# Altium PCB OctopusPB_r0102.PcbDoc (part 2 of 10) (continued)
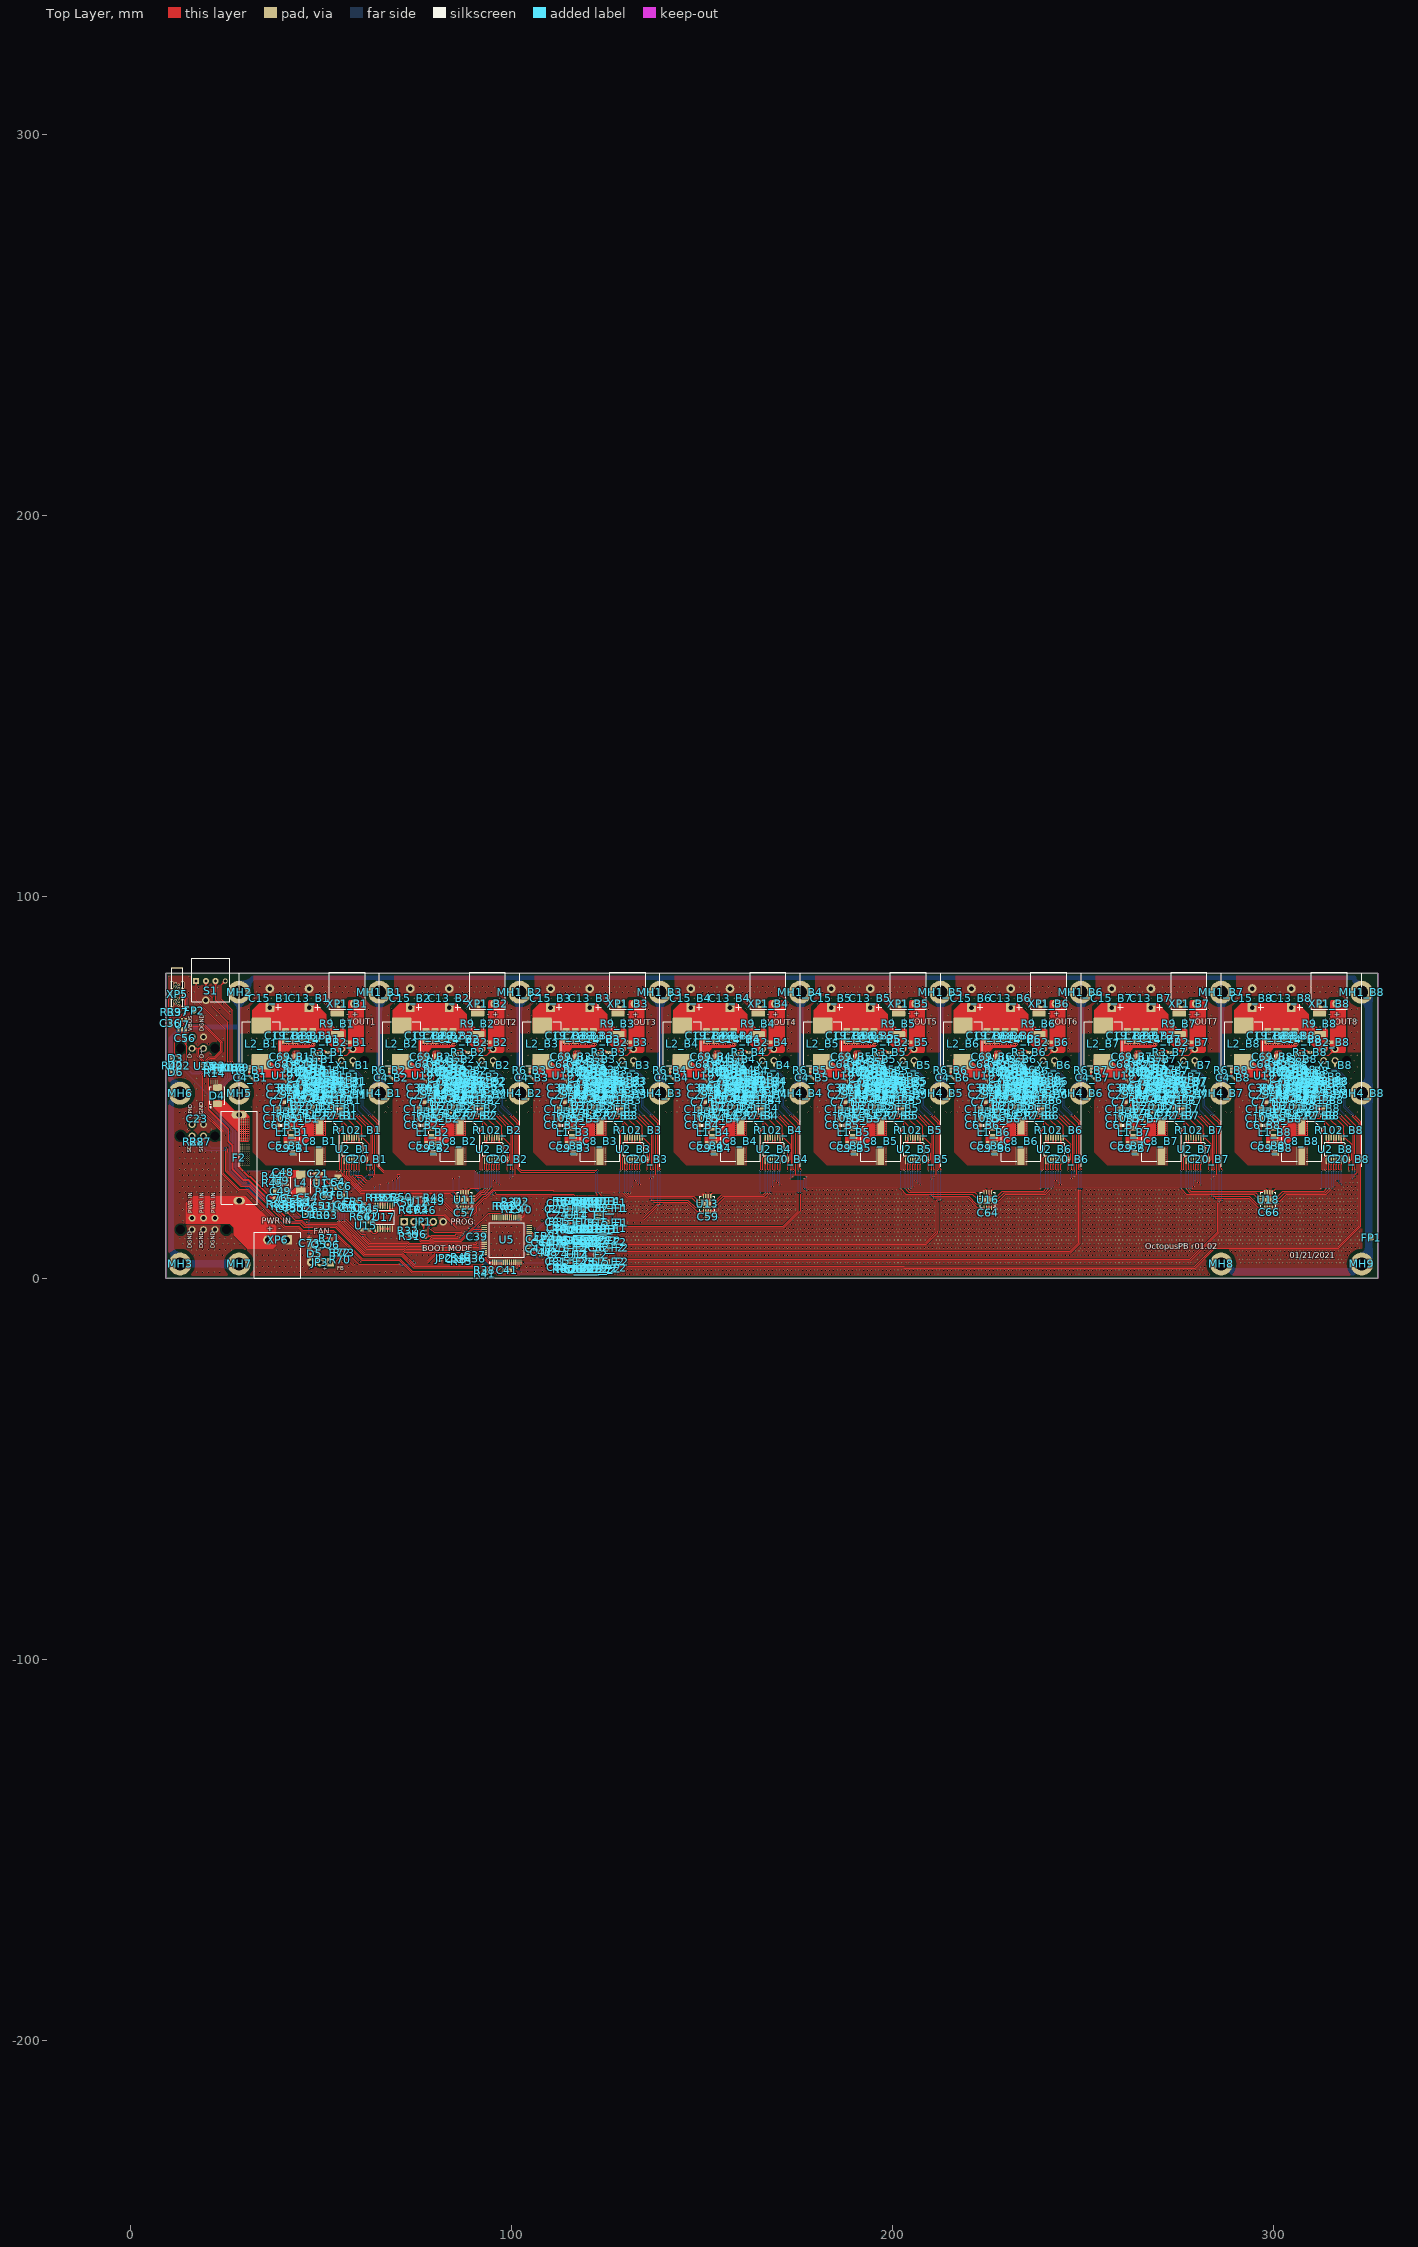
[diagram p0: Top Layer view]
## Components (designator, comment, footprint, x,y, rotation, side; value= is the part's Value field where it differs from the comment) (continued)
XP2_B1 "0447690401" 0447690401 56.85,58.56 r0 bottom locked (schematic designator XP2)
XP2_B2 "0447690401" 0447690401 93.675,58.56 r0 bottom (schematic designator XP2)
XP2_B3 "0447690401" 0447690401 130.5,58.56 r0 bottom (schematic designator XP2)
XP2_B4 "0447690401" 0447690401 167.325,58.56 r0 bottom (schematic designator XP2)
XP2_B5 "0447690401" 0447690401 204.15,58.56 r0 bottom (schematic designator XP2)
XP2_B6 "0447690401" 0447690401 240.975,58.56 r0 bottom (schematic designator XP2)
XP2_B7 "0447690401" 0447690401 277.8,58.56 r0 bottom (schematic designator XP2)
XP2_B8 "0447690401" 0447690401 314.625,58.56 r0 bottom (schematic designator XP2)
XP3 "0447690401" 0447690401 17.65,38.785 r0 bottom locked
XP4 "0447690401" 0447690401 17.65,61.785 r0 bottom locked
XP5 "KUSBX-SL-CS1N14-B" KUSBX-SL-CS1N14-B 12.63,76.975 r180 top locked
XP6 "TBH-2x5.08P-RA-GN" TBH-2x5.08P-RA-GN 38.6,10 r180 top locked
XP7 "0447690601" 0447690601 19.15,14.21 r0 bottom

## Footprints (in the part's own frame and the unit in brackets; to place one, negate y for a bottom-side part, rotate by r counter-clockwise, add the part's x,y. Pads: shape width x height; smd on the part's side, far side on the other; paste and mask are expansions set on the pad)
104CDMCCDS [mm]
  rrect10% 4.1x5.1 smd: 1(-4.75,0) 2(4.75,0)
  silkscreen extent -5.8,-5 5.8,5, body extent -5.75,-5 5.75,5, height 4
0518CDMCCDS [mm]
  rrect20% 2.2x2.5 smd: 1(-2.1,0) 2(2.1,0)
  silkscreen extent -2.7,-2.6 2.7,2.6, body extent -2.7,-2.6 2.7,2.6, height 1.8
0447690401 [mm]
  round 1.8 hole 2.41 unplated: 0(-4.5,1.5) 0(4.5,1.5)
  round 1.8 hole 1.02: 1(-1.5,-1.5) 2(1.5,-1.5) 3(-1.5,1.5) 4(1.5,1.5)
  silkscreen extent -6,-3.72 6,4.68, body extent -6,-3.7 6,4.7, height 13.6
0447690601 [mm]
  round 1.8 hole 2.41 unplated: 0(-6,1.5) 0(6,1.5)
  round 1.8 hole 1.02: 1(-3,-1.5) 2(0,-1.5) 3(3,-1.5) 4(-3,1.5) 5(0,1.5) 6(3,1.5)
  silkscreen extent -7.5,-3.72 7.5,4.68, body extent -7.5,-3.7 7.5,4.7, height 13.6
696108003002 [mm]
  oval 3x2 hole 1.5: 1(0,0)
  oval 4x2 hole 1.5: 2(0,-22.6)
  silkscreen extent -4.7,-23.5 4.7,0.9, body extent -4.7,-23.5 4.7,0.9, height 23.7
CA-D10H10.5-SMD [mm]
  rect 4.5x1.8 smd: 1(3.975,0) 2(-3.975,0)
  silkscreen extent -5.25,-5.2 5.2,5.2, body extent -9.92,-5.2 5.5,5.2, height 10.41
CA-D10H13P5.0-THR [mm]
  rrect10% 2.3x2.3 hole 1.2: 1(2.5,0)
  round 2.3 hole 1.2: 2(-2.5,0)
  silkscreen extent 1.61,1.55 3.26,3, body extent -5.03,-5.03 5.03,5.03, height 16.33
CC0402M [mm]
  rrect20% 0.66x0.62 smd: 1(-0.44,0) 2(0.44,0)
  silkscreen extent 0,-0.18 0,0.17, body extent -0.53,-0.27 0.53,0.27, height 0.55
CC0603M [mm]
  rrect20% 0.9x0.95 smd: 1(-0.8,0) 2(0.8,0)
  Top Layer pour cut-out: -0.305,0.45 -0.305,-0.45 0.305,-0.45 0.305,0.45
  silkscreen extent -0.17,-0.31 0.18,0.34, body extent -0.8,-0.4 0.8,0.4, height 0.9
CC0805M [mm]
  rrect30% 1.15x1.35 smd: 1(-0.95,0) 2(0.95,0)
  Top Layer pour cut-out: -0.75,0.65 -0.75,-0.65 0.75,-0.65 0.75,0.65
  silkscreen extent -0.2,-0.47 0.2,0.49, body extent -1,-0.62 1,0.63, height 1.35
CC1206M [mm]
  rrect30% 1.25x1.8 smd: 1(-1.425,0) 2(1.425,0)
  Top Layer pour cut-out: -0.825,0.775 0.825,0.775 0.825,-0.75 -0.825,-0.75
  silkscreen extent -0.5,-0.58 0.53,0.6, body extent -1.6,-0.8 1.6,0.8, height 1.91
CDFN3225-4LD [mm] "DFN, 4-Leads, Body 3.20x2.50mm, Pitch 1.60mm, IPC Medium Density"
  rect 1x0.9 smd: 1(-0.95,1.05) 2(-0.95,-1.05) 3(0.95,-1.05) 4(0.95,1.05)
  silkscreen extent -1.32,1.95 -1.22,2.05, body extent -1.25,-1.6 1.25,1.6, height 0.85
FB0603M [mm] "Chip Resistor, 2-Leads, Body 1.6x0.8mm, IPC Medium Density"
  rrect30% 0.9x0.95 smd: 1(-0.748,0) 2(0.748,0)
  Top Layer pour cut-out: -0.305,0.45 -0.305,-0.45 0.305,-0.45 0.305,0.45
  silkscreen extent -0.13,-0.38 0.13,0.38, body extent -0.8,-0.4 0.8,0.4, height 0.8
FB0805M [mm]
  rrect30% 1.15x1.45 smd: 1(-0.9,0) 2(0.9,0)
  Top Layer pour cut-out: -0.75,0.65 -0.75,-0.65 0.75,-0.65 0.75,0.65
  silkscreen extent -0.15,-0.53 0.15,0.53, body extent -1,-0.62 1,0.63, height 0.82
FP [mm] "Fiducial point"
  round 1.5 smd paste-1 mask+0.5: 0(0,0)
HEADER-2.54-THR-1x2-MV [mm] "Pin header connector 2 pins, 1 columns, 2.54 pitch"
  rect 2x2 hole 1.2: 1(0,0)
  round 2 hole 1.2: 2(0,-2.54)
  body extent -1.24,-3.81 1.3,1.27, height 8.49
HEADER-2.54-THR-1x3-MV [mm] "Pin header connector 3 pins, 1 columns, 2.54 pitch"
  rect 2.3x2 hole 1: 1(0,0)
  oval 2.3x2 hole 1: 2(0,-2.54) 3(0,-5.08)
  body extent -1.24,-6.35 1.3,1.27, height 8.49
HEADER-2.54-THR-1x5-MV [mm] "Pin header connector 5 pins, 1 columns, 2.54 pitch"
  rect 2x2 hole 1.2: 1(0,0)
  round 2 hole 1.2: 2(0,-2.54) 3(0,-5.08) 4(0,-7.62) 5(0,-10.16)
  body extent -1.24,-11.43 1.3,1.27, height 8.49
IC0805-M [mm] "Chip Coil, 2-Leads, Body 1.6x0.8mm, IPC Medium Density"
  rrect20% 1.2x1.3 smd: 1(-0.901,0) 2(0.901,0)
  Top Layer pour cut-out: -0.305,0.45 -0.305,-0.45 0.305,-0.45 0.305,0.45
  silkscreen extent -0.13,-0.38 0.13,0.38, body extent -1,-0.62 1,0.63, height 1.25
KUSBX-SL-CS1N14-B [mm]
  round 0.6 hole 0.4: A1(0,0) A4(0,0.9) A5(0,1.8) A6(0,2.7) A7(0,3.6) A9(0,4.5) A12(0,5.4) B1(0.78,4.95) B4(0.78,4.05) B5(0.78,3.15) B6(0.78,2.25) B7(0.78,1.35) B9(0.78,0.45) B12(0.78,-0.45)
  oval 0.9x2.2 hole 0.6 slot 1.6 at 90 deg: S1(1.82,0.05) S2(1.82,4.85) S3(-1.04,4.85) S4(-1.04,0.05)
  silkscreen extent -1.04,-4.46 1.86,6.32, body extent -1.47,-8.02 6.19,6.53, height 9
LED0603 [mm] "Molded Diode, 2-Leads, Body"
  rrect30% 0.9x0.9 smd: 1(-0.8,0) 2(0.8,0)
  Top Layer pour cut-out: -0.5,0.5 0.6,0.5 0.6,-0.5 -0.5,-0.5
  silkscreen extent -1.53,-0.48 -1.53,0.48, body extent -0.84,-0.34 0.81,0.38, height 0.68
LQFP-64 [mm] "LQFP, 64-Leads, Body 13,4x13,4mm (max), Pitch 0,50mm, IPC Medium Density"
  oval 1.5x0.3 smd: 1(-5.9,3.75) 2(-5.9,3.25) 3(-5.9,2.75) 4(-5.9,2.25) 5(-5.9,1.75) 6(-5.9,1.25) 7(-5.9,0.75) 8(-5.9,0.25) 9(-5.9,-0.25) 10(-5.9,-0.75) 11(-5.9,-1.25) 12(-5.9,-1.75) 13(-5.9,-2.25) 14(-5.9,-2.75) 15(-5.9,-3.25) 16(-5.9,-3.75) 33(5.9,-3.75) 34(5.9,-3.25) 35(5.9,-2.75) 36(5.9,-2.25) 37(5.9,-1.75) 38(5.9,-1.25) 39(5.9,-0.75) 40(5.9,-0.25) 41(5.9,0.25) 42(5.9,0.75) 43(5.9,1.25) 44(5.9,1.75) 45(5.9,2.25) 46(5.9,2.75) 47(5.9,3.25) 48(5.9,3.75)
  oval 0.3x1.5 smd: 17(-3.75,-5.9) 18(-3.25,-5.9) 19(-2.75,-5.9) 20(-2.25,-5.9) 21(-1.75,-5.9) 22(-1.25,-5.9) 23(-0.75,-5.9) 24(-0.25,-5.9) 25(0.25,-5.9) 26(0.75,-5.9) 27(1.25,-5.9) 28(1.75,-5.9) 29(2.25,-5.9) 30(2.75,-5.9) 31(3.25,-5.9) 32(3.75,-5.9) 49(3.75,5.9) 50(3.25,5.9) 51(2.75,5.9) 52(2.25,5.9) 53(1.75,5.9) 54(1.25,5.9) 55(0.75,5.9) 56(0.25,5.9) 57(-0.25,5.9) 58(-0.75,5.9) 59(-1.25,5.9) 60(-1.75,5.9) 61(-2.25,5.9) 62(-2.75,5.9) 63(-3.25,5.9) 64(-3.75,5.9)
  silkscreen extent -6.12,-4.55 4.55,4.57, body extent -5.79,-5.79 5.79,5.79, height 1
MGV252010S [mm]
  rrect20% 1.2x2 smd: 1(-1.1,0) 2(1.1,0)
  silkscreen extent -0.32,-1.07 0.33,1.07, body extent -1.35,-1.1 1.35,1.1, height 1
MH_3.5_PLATED [mm] "Mounting hole footprint plated, Misc"
  round 6 hole 3.5: 0(0,0)
NETs_CONNECTOR [mm]
  rect 0.5x0.5 smd paste+0 mask+0: 1(-0.2,0) 2(0.2,0)
RC0402M [mm]
  rrect20% 0.57x0.65 smd: 1(-0.455,0) 2(0.455,0)
  silkscreen extent -0.05,-0.18 0.05,0.18, body extent -0.5,-0.25 0.5,0.25, height 0.35
RC2512M [mm] "Chip Resistor, 2-Leads, Body 6.35x3.18mm, IPC Medium Density"
  rrect30% 1.6x3.5 smd: 1(-2.675,0) 2(2.675,0)
  Top Layer pour cut-out: -2,1.6 -2,-1.6 2,-1.6 2,1.6
  silkscreen extent -1.35,-1.6 1.35,1.6, body extent -3.16,-1.6 3.16,1.6, height 0.62
S-1011A [mm]
  rect 1.6x1.6 hole 0.8: 1(0,0)
  round 1.6 hole 0.8: 2(0,-2.54) 4(0,-5.08)
  round 1.3 hole 0.8: 8(0,-7.62)
  round 2 hole 1.2: C(-5.08,-2.54)
  silkscreen extent -5.5,-8.8 6,1.2, body extent -5.5,-8.81 6,1.19, height 10
SMB_UNI [mm] "SMB, Molded Diode, 2-Leads, Body 4,4x3,5mm, IPC Medium Density"
  rrect30% 1.8x2.3 smd: 1(-2.15,0) 2(2.15,0)
  Top Layer pour cut-out: -1.2,1.25 -1.2,-1.3 1.2,-1.3 1.2,1.25
  silkscreen extent -3.21,-1.97 2.35,1.97, body extent -2.8,-1.97 2.79,1.97, height 2.47
SOD323 [mm] "Molded Diode, 2-Leads, Body 3x1.5mm, IPC Medium Density"
  rrect50% 0.8x0.5 smd: 1(-1.1,0) 2(1.1,0)
  Top Layer pour cut-out: -0.8,0.425 0.75,0.425 0.85,0.325 0.85,-0.375 0.85,-0.375 0.775,-0.45 -0.75,-0.45 -0.9,-0.3 -0.9,0.35
  silkscreen extent -1.37,-0.67 0.9,0.75, body extent -1.3,-0.67 1.3,0.68, height 1.1
SOT23-3 [mm] "SOT23, 3-Leads, Body 3,0x2,6mm (max), Pitch 0,95mm, IPC Medium Density"
  rrect50% 0.9x0.8 smd: 1(1,-0.95) 2(1,0.95) 3(-1,0)
  silkscreen extent -0.7,-1.5 0,1.5, body extent -1.15,-1.46 1.19,1.46, height 1
SOT23-5 [mm] "SOT23, 5-Leads, Body 3,0x1.75mm (max), Pitch 0,95mm, IPC Medium Density"
  rrect50% 1.1x0.6 smd: 1(-1.3,0.95) 2(-1.3,0) 3(-1.3,-0.95) 4(1.3,-0.95) 5(1.3,0.95)
  Top Layer pour cut-out: -0.889,1.27 1.016,1.27 1.143,1.143 1.143,-1.27 -0.889,-1.27
  silkscreen extent -0.2,-1.5 0.2,1.5, body extent -1.3,-1.5 1.2,1.5, height 1.1
SOT23-6 [mm]
  rect 0.65x1.2 smd: 1(-0.95,-1.2)
  rrect50% 0.65x1.2 smd: 2(0,-1.2) 3(0.95,-1.2) 4(0.95,1.2) 5(0,1.2) 6(-0.95,1.2)
  silkscreen extent -1.4,-0.2 1.27,0.2, body extent -1.4,-1.2 1.4,1.23, height 1.09
SOT323 [mm] "SOT323 (SC70), 3-leads"
  rrect50% 0.8x0.7 smd: 1(-1.075,0.65) 2(-1.075,-0.65) 3(1.075,0)
  silkscreen extent -0.02,-1.1 0.67,1.1, body extent -1.12,-1.1 1.12,1.1, height 1.1
TBH-2X3.81P-RA-GN [mm]
  rect 2.3x2.3 hole 1.2: 1(-1.905,0)
  round 2.3 hole 1.2: 2(1.905,0)
  silkscreen extent -4.7,-1.45 4.69,8.3, body extent -4.51,-1.28 4.5,8.02, height 7.25
TBH-2x5.08P-RA-GN [mm]
  rect 2.5x2.5 hole 1.5: 1(-2.54,0)
  round 2.5 hole 1.5: 2(2.54,0)
  silkscreen extent -6.07,-2 6.07,10.01, body extent -6.08,-2 6.08,10, height 8.6
TSOP-5 [mm] "TSOP-5"
  rect 1.2x0.6 smd: 1(-1.2,0.95)
  rrect30% 1.2x0.6 smd: 2(-1.2,0) 3(-1.2,-0.95) 4(1.2,-0.95) 5(1.2,0.95)
  silkscreen extent -1.32,1.55 -1.07,1.8, body extent -1.41,-1.45 1.4,1.45, height 1.1
TSOP-6 [mm] "TSOP-6"
  rect 1.2x0.6 smd: 1(-1.2,0.95)
  rrect30% 1.2x0.6 smd: 2(-1.2,0) 3(-1.2,-0.95) 4(1.2,-0.95) 5(1.2,0) 6(1.2,0.95)
  silkscreen extent -1.32,1.55 -1.07,1.8, body extent -1.38,-1.5 1.37,1.5, height 1.04
TSSOP-8 [mm]
  rect 1.3x0.45 smd: 1(-2.25,0.975)
  oval 1.3x0.45 smd: 2(-2.25,0.325) 3(-2.25,-0.325) 4(-2.25,-0.975) 5(2.25,-0.975) 6(2.25,-0.325) 7(2.25,0.325) 8(2.25,0.975)
  silkscreen extent -1.23,-1.3 1.18,1.3, body extent -2.05,-1.55 2.05,1.55, height 1.1
TSSOP-14 [mm] "TSOP, 14-Leads, Body 5,1x4,5mm (max), Pitch 0,65mm, IPC Medium Density"
  rrect30% 1.7x0.35 smd: 1(-2.95,1.95) 2(-2.95,1.3) 3(-2.95,0.65) 4(-2.95,0) 5(-2.95,-0.65) 6(-2.95,-1.3) 7(-2.95,-1.95) 8(2.95,-1.95) 9(2.95,-1.3) 10(2.95,-0.65) 11(2.95,0) 12(2.95,0.65) 13(2.95,1.3) 14(2.95,1.95)
  silkscreen extent -3.17,-2.55 1.8,2.8, body extent -3.2,-2.5 3.2,2.5, height 1.1
TSSOP-16 [mm] "TSOP, 16-Leads, Pitch 0,65mm, IPC Medium Density"
  oval 1.7x0.35 smd: 1(-3.05,2.275) 2(-3.05,1.625) 3(-3.05,0.975) 4(-3.05,0.325) 5(-3.05,-0.325) 6(-3.05,-0.975) 7(-3.05,-1.625) 8(-3.05,-2.275) 9(3.05,-2.275) 10(3.05,-1.625) 11(3.05,-0.975) 12(3.05,-0.325) 13(3.05,0.325) 14(3.05,0.975) 15(3.05,1.625) 16(3.05,2.275)
  silkscreen extent -1.8,-2.72 1.8,2.7, body extent -3.2,-2.55 3.2,2.55, height 1.2
VQFN-16(RGV) [mm]
  oval 1.2x0.35 smd paste-0.05: 1(-2,0.975) 2(-2,0.325) 3(-2,-0.325) 4(-2,-0.975) 9(2,-0.975) 10(2,-0.325) 11(2,0.325) 12(2,0.975)
  oval 0.35x1.2 smd paste-0.05: 5(-0.975,-2) 6(-0.325,-2) 7(0.325,-2) 8(0.975,-2) 13(0.975,2) 14(0.325,2) 15(-0.325,2) 16(-0.975,2)
  rect 2.16x2.16 smd paste-5: 17(0,0)
  silkscreen extent -2.43,-1.97 1.97,2.42, body extent -2,-2 2,2, height 1
VQFN-HR-14 [mm] "QFN, 18-Leads, Body 3.50x3.50mm, Pitch 0.50mm, Thermal Pad 2.05x2.05mm, IPC Medium Density"
  rrect20% 0.9x0.4 smd paste-0.035 mask+0.07: 1(-1.95,1.15) 5(-1.95,-1.15)
  rrect20% 0.35x1.2 smd paste-0.035 mask+0.07: 1(-1.675,1.55) 5(-1.675,-1.55)
  rrect20% 0.9x0.25 smd paste-0.035 mask+0.07: 2(-1.95,0.525) 4(-1.95,-0.525)
  rrect20% 0.9x0.3 smd paste-0.035 mask+0.07: 3(-1.95,0)
  rrect20% 0.25x0.9 smd paste-0.035 mask+0.07: 6(-1.125,-1.7) 7(-0.625,-1.7) 13(-0.625,1.7) 14(-1.125,1.7)
  rrect20% 0.4x1.2 smd paste-0.035 mask+0.07: 8(0.45,-1.55) 9(1.6,-1.55) 11(1.6,1.55) 12(0.45,1.55)
  rrect20% 1x0.4 smd paste-0.035 mask+0.07: 9(1.9,-1.15) 11(1.9,1.15)
  rrect20% 2.6x0.4 smd paste-0.035 mask+0.07: 10(1.1,0)
  silkscreen extent -2.61,1.94 -2.36,2.19, body extent -2,-1.75 2,1.75, height 1
WDFN-8 [mm] "PSON, 8-Leads, Body 2.00x3.00mm, Pitch 0.50mm, Thermal Pad 1.40x1.30mm, IPC Medium Density"
  rect 0.8x0.3 smd: 1(-1.455,0.75) 2(-1.455,0.25) 3(-1.455,-0.25) 4(-1.455,-0.75) 5(1.455,-0.75) 6(1.455,-0.25) 7(1.455,0.25) 8(1.455,0.75)
  rect 1.3x1.4 smd: 9(0,0)
  silkscreen extent -1.82,1.09 -1.72,1.19, body extent -1.5,-1 1.5,1, height 0.8
WLCSP-6 [mm]
  round 0.25 smd mask+0.1: A1(-0.25,0.5) A2(0.25,0.5) B1(-0.25,0) B2(0.25,0) C1(-0.25,-0.5) C2(0.25,-0.5)
  silkscreen extent -0.63,-0.8 0.64,0.8, body extent -0.49,-0.74 0.49,0.74, height 0.33
WSON-8 [mm] "WSON, 8-Leads, Body 2.00x2.00mm, Pitch 0.50mm, IPC Medium Density"
  rect 0.9x0.25 smd: 1(-0.865,0.75)
  rect 0.8x0.25 smd mask+0.07: 2(-0.915,0.25) 3(-0.915,-0.25) 4(-0.915,-0.75) 5(0.915,-0.75) 6(0.915,-0.25) 7(0.915,0.25) 8(0.915,0.75)
  silkscreen extent -1.47,-1.17 1.05,1.23, body extent -1.1,-1.05 1.1,1.05, height 0.8
XQFN-10(SOT1049-3) [mm]
  rect 0.68x0.3 smd: 1(-0.675,0.75) 4(-0.675,-0.75) 6(0.675,-0.75) 9(0.675,0.75)
  rect 0.68x0.25 smd: 2(-0.675,0.25) 3(-0.675,-0.25) 7(0.675,-0.25) 8(0.675,0.25)
  rect 0.27x0.73 smd: 5(0,-0.9) 10(0,0.9)
  silkscreen extent -0.9,1.2 -0.75,1.35, body extent -0.79,-1.01 0.79,1.01, height 0.5

## Part data
C1 C14_B1 C14_B2 C14_B3 C14_B4 C14_B5 C14_B6 C14_B7 C14_B8 C20_B1 C20_B2 C20_B3 C20_B4 C20_B5 C20_B6 C20_B7 C20_B8 C22_B1 C22_B2 C22_B3 C22_B4 C22_B5 C22_B6 C22_B7 C22_B8 C24_F1 C24_F2 C28_B1 C28_B2 C28_B3 C28_B4 C28_B5 C28_B6 C28_B7 C28_B8 C32_B1 C32_B2 C32_B3 C32_B4 C32_B5 C32_B6 C32_B7 C32_B8 C35_B1 C35_B2 C35_B3 C35_B4 C35_B5 C35_B6 C35_B7 C35_B8 C39 C42 C44 C47 C51 C54 C55 C57 C59 C60 C63 C64 C65 C66 C71_B1 C71_B2 C71_B3 C71_B4 C71_B5 C71_B6 C71_B7 C71_B8 C74_B1 C74_B2 C74_B3 C74_B4 C74_B5 C74_B6 C74_B7 C74_B8 C83: library part CC0402K-X7R-25V-100N-M, "Chip ceramic capacitor", Case=0402, Manufacturer=Murata, Manufacturer PN=GRM155R71E104KE14J, Rated Voltage=25V, Material=X7R, PartNumber=CC0402K-X7R-25V-100N-M, Publisher=alexey.savchenko, Publishing Date=1/12/2020, Tollerance=10%
C2_B1 C2_B2 C2_B3 C2_B4 C2_B5 C2_B6 C2_B7 C2_B8 C23 C33_B1 C33_B2 C33_B3 C33_B4 C33_B5 C33_B6 C33_B7 C33_B8 C38 C78_F1 C78_F2 C79_F1 C79_F2 C86_F1 C86_F2 C87_F1 C87_F2: library part CC0402K-X7R-50V-1N-M, "Chip ceramic capacitor", Case=0402, Manufacturer=Yageo, Manufacturer PN=CC0402KRX7R9BB102, Rated Voltage=50V, Material=X7R, PartNumber=CC0402K-X7R-50V-1N-M, Publisher=alexey.savchenko, Publishing Date=2/27/2020, Tollerance=10%
C3: library part CC0603K-X7R-50V-1N-M, "Chip ceramic capacitor", Case=0603, Manufacturer=Yageo, Manufacturer PN=CC0603KRX7R9BB102, Rated Voltage=50V, Material=X7R, PartNumber=CC0603K-X7R-50V-1N-M, Publisher=alexey.savchenko, Publishing Date=1/12/2020, Tollerance=10%
C4 C9_B1 C9_B2 C9_B3 C9_B4 C9_B5 C9_B6 C9_B7 C9_B8 C10_B1 C10_B2 C10_B3 C10_B4 C10_B5 C10_B6 C10_B7 C10_B8 C11_B1 C11_B2 C11_B3 C11_B4 C11_B5 C11_B6 C11_B7 C11_B8 C29_B1 C29_B2 C29_B3 C29_B4 C29_B5 C29_B6 C29_B7 C29_B8 C49 C69_B1 C69_B2 C69_B3 C69_B4 C69_B5 C69_B6 C69_B7 C69_B8: library part CC1206K-X5R-35V-22U-M, "Chip ceramic capacitor", Case=1206, Manufacturer=TDK, Manufacturer PN=C3216X5R1V226M160AC, Rated Voltage=35V, Material=X5R, PartNumber=CC1206K-X5R-35V-22U-M, Publisher=alexey.savchenko, Publishing Date=3/30/2020, Tollerance=10%
C4_B1 C4_B2 C4_B3 C4_B4 C4_B5 C4_B6 C4_B7 C4_B8: library part CC0402J-NP0-50V-39P-M, "Chip ceramic capacitor", Case=0402, Manufacturer=Yageo, Manufacturer PN=CC0402JRNPO9BN390, Rated Voltage=50V, Material=NP0, PartNumber=CC0402J-NP0-50V-39P-M, Publisher=alexey.savchenko, Publishing Date=2/27/2020, Tollerance=5%
C5 C6 C12_B1 C12_B2 C12_B3 C12_B4 C12_B5 C12_B6 C12_B7 C12_B8 C30_B1 C30_B2 C30_B3 C30_B4 C30_B5 C30_B6 C30_B7 C30_B8 C48 C68_B1 C68_B2 C68_B3 C68_B4 C68_B5 C68_B6 C68_B7 C68_B8 C75 C76: library part CC0603K-X7R-50V-100N-M, "Chip ceramic capacitor", Case=0603, Manufacturer=Yageo, Manufacturer PN=CC0603KRX7R9BB104, Rated Voltage=50V, Material=X7R, PartNumber=CC0603K-X7R-50V-100N-M, Publisher=alexey.savchenko, Publishing Date=1/12/2020, Tollerance=10%
C5_B1 C5_B2 C5_B3 C5_B4 C5_B5 C5_B6 C5_B7 C5_B8 C6_B1 C6_B2 C6_B3 C6_B4 C6_B5 C6_B6 C6_B7 C6_B8 C7_B1 C7_B2 C7_B3 C7_B4 C7_B5 C7_B6 C7_B7 C7_B8 C37 C62: library part CC0402K-X7R-50V-10N-M, "Chip ceramic capacitor", Case=0402, Manufacturer=Yageo, Manufacturer PN=CC0402KRX7R9BB103, Rated Voltage=50V, Material=X7R, PartNumber=CC0402K-X7R-50V-10N-M, Publisher=alexey.savchenko, Publishing Date=2/27/2020, Tollerance=10%
C8_B1 C8_B2 C8_B3 C8_B4 C8_B5 C8_B6 C8_B7 C8_B8: library part CE-L10D10-330U-35V-SMD, "Aluminium Electrlytic capacitor", Manufacturer=Kemet, Manufacturer PN=EXV337M035A9PAA, Rated Voltage=35V, ESR=120m, PartNumber=CE-L10D10-330U-35V-SMD, Publisher=alexey.savchenko, Publishing Date=3/30/2020, Tollerance=20%
C13_B1 C13_B2 C13_B3 C13_B4 C13_B5 C13_B6 C13_B7 C13_B8 C15_B1 C15_B2 C15_B3 C15_B4 C15_B5 C15_B6 C15_B7 C15_B8: library part APSG250ELL391MJB5S, "Aluminium polymer capacitor", Manufacturer="United Chemi-Con", Rated Voltage=20V, ESR=14m, Manufacturer PN=APSG250ELL391MJB5S, PartNumber=APSG250ELL391MJB5S, Publisher=alexey.savchenko, Publishing Date=12/10/2020, Tollerance=20%
C16_B1 C16_B2 C16_B3 C16_B4 C16_B5 C16_B6 C16_B7 C16_B8 C17_B1 C17_B2 C17_B3 C17_B4 C17_B5 C17_B6 C17_B7 C17_B8 C18_B1 C18_B2 C18_B3 C18_B4 C18_B5 C18_B6 C18_B7 C18_B8 C19_B1 C19_B2 C19_B3 C19_B4 C19_B5 C19_B6 C19_B7 C19_B8: library part CC1206K-X5R-25V-22U-M, "Chip ceramic capacitor", Case=1206, Manufacturer=Samsung, Manufacturer PN=CL31A226KAHNNNE, Rated Voltage=25V, Material=X5R, PartNumber=CC1206K-X5R-25V-22U-M, Publisher=alexey.savchenko, Publishing Date=1/12/2020, Tollerance=10%
C21 C72_B1 C72_B2 C72_B3 C72_B4 C72_B5 C72_B6 C72_B7 C72_B8 C77_B1 C77_B2 C77_B3 C77_B4 C77_B5 C77_B6 C77_B7 C77_B8: library part CC0603K-X5R-50V-1U-M, "Chip ceramic capacitor", Case=0603, Manufacturer=Samsung, Manufacturer PN=CL10A105KB8NNNC, Rated Voltage=50V, Material=X5R, PartNumber=CC0603K-X5R-50V-1U-M, Publisher=alexey.savchenko, Publishing Date=1/12/2020, Tollerance=10%
C25_F1 C25_F2 C58_F1 C58_F2 C67_F1 C67_F2 C80_F1 C80_F2 C81_F1 C81_F2 C82_F1 C82_F2 C88_F1 C88_F2 C89_F1 C89_F2: library part CC0402J-NP0-50V-1N-M, "Chip ceramic capacitor", Case=0402, Manufacturer=Samsung, Manufacturer PN=CL05C102JB5NNNC, Rated Voltage=50V, Material=NP0, PartNumber=CC0402J-NP0-50V-1N-M, Publisher=alexey.savchenko, Publishing Date=2/27/2020, Tollerance=5%
C26_B1 C26_B2 C26_B3 C26_B4 C26_B5 C26_B6 C26_B7 C26_B8 C36 C40 C41 C43 C45 C56: library part CC0603K-X7R-10V-1U-M, "Chip ceramic capacitor", Case=0603, Manufacturer=Samsung, Manufacturer PN=CL10B105KP8NNNC, Rated Voltage=10V, Material=X5R, PartNumber=CC0603K-X7R-10V-1U-M, Publisher=alexey.savchenko, Publishing Date=1/12/2020, Tollerance=10%
C27_B1 C27_B2 C27_B3 C27_B4 C27_B5 C27_B6 C27_B7 C27_B8 C31_B1 C31_B2 C31_B3 C31_B4 C31_B5 C31_B6 C31_B7 C31_B8 C34_B1 C34_B2 C34_B3 C34_B4 C34_B5 C34_B6 C34_B7 C34_B8 C46 C50: library part CC0603K-X5R-10V-10U-M, "Chip ceramic capacitor", Case=0603, Manufacturer=Murata, Manufacturer PN=GRM188R61A106KE69D, Rated Voltage=10V, Material=X5R, PartNumber=CC0603K-X5R-10V-10U-M, Publisher=alexey.savchenko, Publishing Date=1/12/2020, Tollerance=10%
C52 C53 C73: library part CC0805K-X5R-10V-22U-M, "Chip ceramic capacitor", Case=0805, Manufacturer=Samsung, Manufacturer PN=CL21A226KPCLRNC, Rated Voltage=10V, Material=X5R, PartNumber=CC0805K-X5R-10V-22U-M, Publisher=alexey.savchenko, Publishing Date=2/17/2020, Tollerance=10%
C61: library part CC0805K-X7R-6V3-10U-M, "Chip ceramic capacitor", Case=0805, Manufacturer=Samsung, Manufacturer PN=CL21B106KQQNNNG, Rated Voltage=6.3V, Material=X7R, PartNumber=CC0805K-X7R-6V3-10U-M, Publisher=alexey.savchenko, Publishing Date=2/17/2020, Tollerance=10%
D1 D3 D5 D6 D7: "DIODE SCHOTTKY 30V 200MA SOD323", Case=SOD323, Manufacturer="ON Semiconductor", Manufacturer PN=BAT54HT1G, PartNumber=BAT54HT1G, Publisher=alexey.savchenko, Publishing Date=2/17/2020
D2: "LED GREEN CLEAR 0603 SMD", Case=LED0603, Color=Green, Manufacturer="Würth Elektronik", Manufacturer PN=150060GS75000, PartNumber=150060GS75000, Publisher=alexey.savchenko, Publishing Date=1/27/2020
D4: "TVS DIODE Unidirectional 26V DO214AA", Case=SMB_UNI, Manufacturer="Littelfuse Inc.", Manufacturer PN=SMBJ26A, PartNumber=SMBJ26A, Publisher=alexey.savchenko, Publishing Date=2/14/2020
F2: "FUSEHOLDER BLOCKS - PCB - CLIP C", Manufacturer="Würth Elektronik", Manufacturer PN=696108003002, PartNumber=696108003002, Publisher=alexey.savchenko, Publishing Date=2/14/2020
FB1 FB3 FB5: "FERRITE BEAD 1 KOHM 0603 1LN", Manufacturer=Murata, Resistance=1000, Manufacturer PN=BLM18HG102SN1D, PartNumber=BLM18HG102SN1D, Publisher=alexey.savchenko, Publishing Date=1/12/2020
FB1_B1 FB1_B2 FB1_B3 FB1_B4 FB1_B5 FB1_B6 FB1_B7 FB1_B8 FB4: "600 Ohms @ 100MHz 1 Power Line Ferrite Bead 0805 (2012 Metric) 2.3A", Manufacturer=Murata, Resistance=600, Manufacturer PN=BLM21SP601SH1D, PartNumber=BLM21SP601SH1D, Publisher=alexey.savchenko, Publishing Date=2/17/2020
FB2_B1 FB2_B2 FB2_B3 FB2_B4 FB2_B5 FB2_B6 FB2_B7 FB2_B8: "26 Ohms @ 100MHz 1 Power Line Ferrite Bead 0603 (1608 Metric) 6A 7mOhm", Manufacturer=Murata, Resistance=26, Manufacturer PN=BLM18KG260TN1D, PartNumber=BLM18KG260TN1D, Publisher=alexey.savchenko, Publishing Date=1/12/2020
FP1 FP2 X1_B1 X1_B2 X1_B3 X1_B4 X1_B5 X1_B6 X1_B7 X1_B8 X3: "No BOM component to short circuit 2 nets", Manufacturer=NULL, Manufacturer PN=NULL, Publisher=alexey.savchenko, Publishing Date=2/14/2020
  FP1 FP2: PartNumber=FP
  X1_B1 X1_B2 X1_B3 X1_B4 X1_B5 X1_B6 X1_B7 X1_B8 X3: PartNumber=NETs_CONNECTOR
JP1: "Header Connector, 2.54mm pitch, Single, 5 contacts, Male, Vertical", Manufacturer="Adam Tech", Manufacturer PN=PH1-05-UA, PartNumber=HEADER-2.54-THR-1x5-MV, Publisher=alexey.savchenko, Publishing Date=1/24/2020
JP2: "Header Connector, 2.54mm pitch, Single, 2 contacts, Male, Vertical", Manufacturer="Adam Tech", Manufacturer PN=PH1-02-UA, PartNumber=HEADER-2.54-THR-1x2-MV, Publisher=alexey.savchenko, Publishing Date=1/24/2020
JP3: "Header Connector, 2.54mm pitch, Single, 3 contacts, Male, Vertical", Manufacturer="Adam Tech", Manufacturer PN=PH1-03-UA, PartNumber=HEADER-2.54-THR-1x3-MV, Publisher=alexey.savchenko, Publishing Date=1/24/2020
L1_B1 L1_B2 L1_B3 L1_B4 L1_B5 L1_B6 L1_B7 L1_B8: library part MGV252010S2R2M-10, "2.2µH Shielded Molded Inductor 2.4A 110mOhm Max 1008 (2520 Metric)", Manufacturer="Laird-Signal Integrity Products", Manufacturer PN=MGV252010S2R2M-10, PartNumber=MGV252010S2R2M-10, Publisher=alexey.savchenko, Publishing Date=4/1/2020, Tollerance=20%
L2_B1 L2_B2 L2_B3 L2_B4 L2_B5 L2_B6 L2_B7 L2_B8: library part 104CDMCCDS-2R2MC, "FIXED IND 2.2UH 15A 7 MOHM", Manufacturer=Sumida, Manufacturer PN=104CDMCCDS-2R2MC, PartNumber=104CDMCCDS-2R2MC, Publisher=alexey.savchenko, Publishing Date=1/12/2020, Tollerance=20%
L3_B1 L3_B2 L3_B3 L3_B4 L3_B5 L3_B6 L3_B7 L3_B8: library part CV201210-330K, "FIXED IND 33UH 5MA 1.25 OHM SMD", Manufacturer=Bourns, Manufacturer PN=CV201210-330K, PartNumber=CV201210-330K, Publisher=alexey.savchenko, Publishing Date=2/17/2020, Tollerance=10%
L4: library part 0518CDMCCDS-100MC, "10µH Shielded Molded Inductor 2.3A 155mOhm Max Nonstandard", Manufacturer=Sumida, Manufacturer PN=0518CDMCCDS-100MC, PartNumber=0518CDMCCDS-100MC, Publisher=alexey.savchenko, Publishing Date=4/1/2020, Tollerance=20%
MH1_B1 MH1_B2 MH1_B3 MH1_B4 MH1_B5 MH1_B6 MH1_B7 MH1_B8 MH2 MH3 MH4_B1 MH4_B2 MH4_B3 MH4_B4 MH4_B5 MH4_B6 MH4_B7 MH4_B8 MH5 MH6 MH7 MH8 MH9: "Mounting Hole", Manufacturer=NULL, Manufacturer PN=NULL, PartNumber=MH-3.5-PLATED, Publisher=alexey.savchenko, Publishing Date=3/25/2020
Q5: "P-Channel 30V 3.8A (Ta) 1.08W (Ta) Surface Mount SOT-23", Case=SOT23-3, Manufacturer=Diodes, Manufacturer PN=DMP3099L-7, PartNumber=DMP3099L-7, Publisher=alexey.savchenko, Publishing Date=2/26/2020
Q6: "MOSFET N-CH 30V 180MA SOT323", Case=SOT323, Manufacturer=Nexperia, Analogs=DMN63D8LW-7, Manufacturer PN=NX3020NAKW,115, PartNumber=NX3020NAKW,115, Publisher=alexey.savchenko, Publishing Date=2/17/2020
R1: library part RC0402F-12K-M, "Chip resistor", Case=0402, Manufacturer=Yageo, Manufacturer PN=RC0402FR-0712KL, Power=0.063W, Rated Voltage=50V, PartNumber=RC0402F-12K-M, Publisher=alexey.savchenko, Publishing Date=2/24/2020, T Coefficient=100ppm, Tollerance=1%
R1_B1 R1_B2 R1_B3 R1_B4 R1_B5 R1_B6 R1_B7 R1_B8: library part RC0402F-82K5-M, "Chip resistor", Case=0402, Manufacturer=Yageo, Manufacturer PN=RC0402FR-0782K5L, Power=0.063W, Rated Voltage=50V, PartNumber=RC0402F-82K5-M, Publisher=alexey.savchenko, Publishing Date=12/7/2020, T Coefficient=100ppm, Tollerance=1%
R2: library part RC0402F-806R-M, "Chip resistor", Case=0402, Manufacturer=Yageo, Manufacturer PN=RC0402FR-07806RL, Power=0.063W, Rated Voltage=50V, PartNumber=RC0402F-806R-M, Publisher=alexey.savchenko, Publishing Date=2/24/2020, T Coefficient=100ppm, Tollerance=1%
R2_B1 R2_B2 R2_B3 R2_B4 R2_B5 R2_B6 R2_B7 R2_B8 R8_B1 R8_B2 R8_B3 R8_B4 R8_B5 R8_B6 R8_B7 R8_B8 R23_B1 R23_B2 R23_B3 R23_B4 R23_B5 R23_B6 R23_B7 R23_B8 R24_B1 R24_B2 R24_B3 R24_B4 R24_B5 R24_B6 R24_B7 R24_B8 R25_B1 R25_B2 R25_B3 R25_B4 R25_B5 R25_B6 R25_B7 R25_B8 R26_B1 R26_B2 R26_B3 R26_B4 R26_B5 R26_B6 R26_B7 R26_B8 R58_B1 R58_B2 R58_B3 R58_B4 R58_B5 R58_B6 R58_B7 R58_B8 R59_B1 R59_B2 R59_B3 R59_B4 R59_B5 R59_B6 R59_B7 R59_B8 R68 R69 R74_B1 R74_B2 R74_B3 R74_B4 R74_B5 R74_B6 R74_B7 R74_B8: library part RC0402F-0R-M, "Chip resistor", Case=0402, Manufacturer=Yageo, Manufacturer PN=RC0402FR-070RL, Power=0.063W, Rated Voltage=50V, PartNumber=RC0402F-0R-M, Publisher=alexey.savchenko, Publishing Date=2/24/2020, Tollerance=1%
R3_B1 R3_B2 R3_B3 R3_B4 R3_B5 R3_B6 R3_B7 R3_B8 R37 R39: library part RC0402F-5K1-M, "Chip resistor", Case=0402, Manufacturer=Yageo, Manufacturer PN=RC0402FR-075K1L, Power=0.063W, Rated Voltage=50V, PartNumber=RC0402F-5K1-M, Publisher=alexey.savchenko, Publishing Date=2/24/2020, T Coefficient=100ppm, Tollerance=1%
R4_B1 R4_B2 R4_B3 R4_B4 R4_B5 R4_B6 R4_B7 R4_B8 R6_B1 R6_B2 R6_B3 R6_B4 R6_B5 R6_B6 R6_B7 R6_B8 R7_B1 R7_B2 R7_B3 R7_B4 R7_B5 R7_B6 R7_B7 R7_B8 R10_B1 R10_B2 R10_B3 R10_B4 R10_B5 R10_B6 R10_B7 R10_B8 R14 R16_F1 R16_F2 R17 R19_F1 R19_F2 R29 R31 R32 R40 R42 R53_F1 R53_F2 R54 R57_F1 R57_F2 R60_F1 R60_F2 R61_F1 R61_F2 R62_F1 R62_F2 R63_F1 R63_F2 R64 R70 R71 R73 R82 R106 R107 R108 R109: library part RC0402F-10K-M, "Chip resistor", Case=0402, Manufacturer=Yageo, Manufacturer PN=RC0402FR-0710KL, Power=0.063W, Rated Voltage=50V, PartNumber=RC0402F-10K-M, Publisher=alexey.savchenko, Publishing Date=2/24/2020, Tollerance=1%
  R4_B1 R4_B2 R4_B3 R4_B4 R4_B5 R4_B6 R4_B7 R4_B8 R6_B1 R6_B2 R6_B3 R6_B4 R6_B5 R6_B6 R6_B7 R6_B8 R7_B1 R7_B2 R7_B3 R7_B4 R7_B5 R7_B6 R7_B7 R7_B8 R10_B1 R10_B2 R10_B3 R10_B4 R10_B5 R10_B6 R10_B7 R10_B8 R14 R17 R29 R31 R32 R40 R42 R54 R64 R70 R71 R73 R82 R106 R107 R108 R109: T Coefficient=100ppm
R5_B1 R5_B2 R5_B3 R5_B4 R5_B5 R5_B6 R5_B7 R5_B8: library part RC0402F-2K1-M, "Chip resistor", Case=0402, Manufacturer=Yageo, Manufacturer PN=RC0402FR-072K1L, Power=0.063W, Rated Voltage=50V, PartNumber=RC0402F-2K1-M, Publisher=alexey.savchenko, Publishing Date=2/24/2020, T Coefficient=100ppm, Tollerance=1%
R9_B1 R9_B2 R9_B3 R9_B4 R9_B5 R9_B6 R9_B7 R9_B8: library part RC2512J-2K0-M, "Chip resistor", Case=2512, Manufacturer=Stackpole, Manufacturer PN=RMCF2512JT2K00, Power=1W, Rated Voltage=200V, PartNumber=RC2512J-2K0-M, Publisher=alexey.savchenko, Publishing Date=12/7/2020, T Coefficient=200ppm, Tollerance=5%
R11_B1 R11_B2 R11_B3 R11_B4 R11_B5 R11_B6 R11_B7 R11_B8: library part RC0402F-1K47-M, "Chip resistor", Case=0402, Manufacturer=Yageo, Manufacturer PN=RC0402FR-071K47L, Power=0.063W, Rated Voltage=50V, PartNumber=RC0402F-1K47-M, Publisher=alexey.savchenko, Publishing Date=12/10/2020, T Coefficient=100ppm, Tollerance=1%
R12 R13 R52 R55 R102_B1 R102_B2 R102_B3 R102_B4 R102_B5 R102_B6 R102_B7 R102_B8: library part RC0402F-91R-M, "Chip resistor", Case=0402, Manufacturer=Yageo, Manufacturer PN=RC0402FR-0791RL, Power=0.063W, Rated Voltage=50V, PartNumber=RC0402F-91R-M, Publisher=alexey.savchenko, Publishing Date=2/24/2020, Tollerance=1%
R15_F1 R15_F2 R18_F1 R18_F2 R22_F1 R22_F2 R35_F1 R35_F2 R56_F1 R56_F2 R75_F1 R75_F2 R76_F1 R76_F2 R77_F1 R77_F2: library part RC0402F-1K21-M, "Chip resistor", Case=0402, Manufacturer=Yageo, Manufacturer PN=RC0402FR-071K21L, Power=0.063W, Rated Voltage=50V, PartNumber=RC0402F-1K21-M, Publisher=alexey.savchenko, Publishing Date=12/7/2020, T Coefficient=100ppm, Tollerance=1%
R20_B1 R20_B2 R20_B3 R20_B4 R20_B5 R20_B6 R20_B7 R20_B8: library part RC0402F-7K15-M, "Chip resistor", Case=0402, Manufacturer=Yageo, Manufacturer PN=RC0402FR-077K15L, Power=0.063W, Rated Voltage=50V, PartNumber=RC0402F-7K15-M, Publisher=alexey.savchenko, Publishing Date=2/24/2020, T Coefficient=100ppm, Tollerance=1%
R21_B1 R21_B2 R21_B3 R21_B4 R21_B5 R21_B6 R21_B7 R21_B8: library part RC0402F-1K2-M, "Chip resistor", Case=0402, Manufacturer=Yageo, Manufacturer PN=RC0402FR-071K2L, Power=0.063W, Rated Voltage=50V, PartNumber=RC0402F-1K2-M, Publisher=alexey.savchenko, Publishing Date=2/24/2020, T Coefficient=100ppm, Tollerance=1%
R27 R28 R46 R47 R48 R49 R50 R51: library part RC0402F-4K7-M, "Chip resistor", Case=0402, Manufacturer=Yageo, Manufacturer PN=RC0402FR-074K7L, Power=0.063W, Rated Voltage=50V, PartNumber=RC0402F-4K7-M, Publisher=alexey.savchenko, Publishing Date=2/24/2020, T Coefficient=100ppm, Tollerance=1%
R30 R33 R86: library part RC0402F-1K-M, "Chip resistor", Case=0402, Manufacturer=Yageo, Manufacturer PN=RC0402FR-071KL, Power=0.063W, Rated Voltage=50V, PartNumber=RC0402F-1K-M, Publisher=alexey.savchenko, Publishing Date=2/24/2020, T Coefficient=100ppm, Tollerance=1%
R34: library part RC0402F-240R-M, "Chip resistor", Case=0402, Manufacturer=Yageo, Manufacturer PN=RC0402FR-07240RL, Power=0.063W, Rated Voltage=50V, PartNumber=RC0402F-240R-M, Publisher=alexey.savchenko, Publishing Date=2/24/2020, Tollerance=1%
R36: library part RC0402F-100K-M, "Chip resistor", Case=0402, Manufacturer=Yageo, Manufacturer PN=RC0402FR-07100KL, Power=0.063W, Rated Voltage=50V, PartNumber=RC0402F-100K-M, Publisher=alexey.savchenko, Publishing Date=2/24/2020, T Coefficient=100ppm, Tollerance=1%
R38 R41: library part RC0402F-33R-M, "Chip resistor", Case=0402, Manufacturer=Yageo, Manufacturer PN=RC0402FR-0733RL, Power=0.063W, Rated Voltage=50V, PartNumber=RC0402F-33R-M, Publisher=alexey.savchenko, Publishing Date=2/24/2020, Tollerance=1%
R43 R65_B1 R65_B2 R65_B3 R65_B4 R65_B5 R65_B6 R65_B7 R65_B8: library part RC0402F-100R-M, "Chip resistor", Case=0402, Manufacturer=Yageo, Manufacturer PN=RC0402FR-07100RL, Power=0.063W, Rated Voltage=50V, PartNumber=RC0402F-100R-M, Publisher=alexey.savchenko, Publishing Date=2/24/2020, Tollerance=1%
R44: library part RC0402F-91K-M, "Chip resistor", Case=0402, Manufacturer=Yageo, Manufacturer PN=RC0402FR-0791KL, Power=0.063W, Rated Voltage=50V, PartNumber=RC0402F-91K-M, Publisher=alexey.savchenko, Publishing Date=2/24/2020, T Coefficient=100ppm, Tollerance=1%
R45: library part RC0402F-22K1-M, "Chip resistor", Case=0402, Manufacturer=Yageo, Manufacturer PN=RC0402FR-0722K1L, Power=0.063W, Rated Voltage=50V, PartNumber=RC0402F-22K1-M, Publisher=alexey.savchenko, Publishing Date=2/24/2020, T Coefficient=100ppm, Tollerance=1%
R66_B1 R66_B2 R66_B3 R66_B4 R66_B5 R66_B6 R66_B7 R66_B8: library part RC0402F-33K-M, "Chip resistor", Case=0402, Manufacturer=Yageo, Manufacturer PN=RC0402FR-0733KL, Power=0.063W, Rated Voltage=50V, PartNumber=RC0402F-33K-M, Publisher=alexey.savchenko, Publishing Date=2/24/2020, T Coefficient=100ppm, Tollerance=1%
R67_B1 R67_B2 R67_B3 R67_B4 R67_B5 R67_B6 R67_B7 R67_B8: library part RC0402F-6K04-M, "Chip resistor", Case=0402, Manufacturer=Yageo, Manufacturer PN=RC0402FR-076K04L, Power=0.063W, Rated Voltage=50V, PartNumber=RC0402F-6K04-M, Publisher=alexey.savchenko, Publishing Date=2/24/2020, T Coefficient=100ppm, Tollerance=1%
R72 R83_B1 R83_B2 R83_B3 R83_B4 R83_B5 R83_B6 R83_B7 R83_B8: library part RC0402F-10R-M, "Chip resistor", Case=0402, Manufacturer=Yageo, Manufacturer PN=RC0402FR-0710RL, Power=0.063W, Rated Voltage=50V, PartNumber=RC0402F-10R-M, Publisher=alexey.savchenko, Publishing Date=2/24/2020, Tollerance=1%
S1: "Dip Switch Hexadecimal 16 Position Through Hole, Right Angle Rotary for Tool Actuator 100mA 5VDC", Manufacturer="Nidec Copal Electronics", Manufacturer PN=DSC6001CI2A-004.0000S-1011A, PartNumber=S-1011A, Publisher=alexey.savchenko, Publishing Date=4/17/2020
U1: "NCP730 TSOP-5 ADJ", Case=TSOP-5, Manufacturer="ON Semiconductor", Manufacturer PN=NCP730ASNADJT1G, PartNumber=NCP730ASNADJT1G, Publisher=alexey.savchenko, Publishing Date=12/10/2020
U2_B1 U2_B2 U2_B3 U2_B4 U2_B5 U2_B6 U2_B7 U2_B8: library part SN74LV4051AQPWRQ1, "1 Circuit IC Switch 8:1 75Ohm 16-TSSOP", Case=TSSOP-16, Manufacturer=TI, Analogs=SN74LV4051ATPWRQ1, Manufacturer PN=SN74LV4051AQPWRQ1, PartNumber=SN74LV4051AQPWRQ1, Publisher=alexey.savchenko, Publishing Date=12/9/2020
U3_B1 U3_B2 U3_B3 U3_B4 U3_B5 U3_B6 U3_B7 U3_B8: "General Purpose Amplifier 1 Circuit Rail-to-Rail SOT-23-5", Case=SOT23-5, Manufacturer=TI, Manufacturer PN=TLV172IDBVR, PartNumber=TLV172IDBVR, Publisher=alexey.savchenko, Publishing Date=12/9/2020
U4_B1 U4_B2 U4_B3 U4_B4 U4_B5 U4_B6 U4_B7 U4_B8: "SINGLE CHAN DAC 14BIT- ZEROCODE", Case=WSON-8, Manufacturer=TI, Analogs="DAC70501MDQFR, DAC70501MDQFT, DAC70501ZDQFR", Manufacturer PN=DAC70501ZDQFT, PartNumber=DAC70501ZDQFT, Publisher=alexey.savchenko, Publishing Date=1/13/2020
U5: "IC MCU 32BIT 256KB FLASH 64LQFP", Case=LQFP-64, Manufacturer=NXP, Manufacturer PN=LPC54113J256BD64QL, PartNumber=LPC54113J256BD64QL, Publisher=alexey.savchenko, Publishing Date=1/24/2020
U6 U7: "TVS DIODE 5.5V 6TSOP", Case=TSOP-6, Manufacturer=Nexperia, Manufacturer PN=IP4220CZ6, PartNumber=IP4220CZ6, Publisher=alexey.savchenko, Publishing Date=1/24/2020
U8: "IC VREF SERIES 0.15% SOT23-3", Case=SOT23-3, Manufacturer=TI, Manufacturer PN=REF3330AIDBZ, PartNumber=REF3330AIDBZ, Publisher=alexey.savchenko, Publishing Date=2/19/2020
U9: "Buck Switching Regulator IC Positive Adjustable 1V 1 Output 600mA SOT-23-6", Case=SOT23-6, Manufacturer=TI, Manufacturer PN=TPS560430YFQDBVRQ1, PartNumber=TPS560430YFQDBVRQ1, Publisher=alexey.savchenko, Publishing Date=3/31/2020
U10: "Linear Voltage Regulator IC 1 Output 150mA SOT-23-5", Case=SOT23-5, Manufacturer=Microchip, Manufacturer PN=MIC5317-3.3YM5, PartNumber=MIC5317-3.3YM5, Publisher=alexey.savchenko, Publishing Date=3/10/2020
U11 U13 U16 U18: "I/O Expander 8 I²C, SMBus 400kHz 16-VQFN (4x4)", Case=VQFN-16(RGV), Manufacturer=TI, Analogs="NXP has same chip", Manufacturer PN=PCA9554ARGVR, PartNumber=PCA9554ARGVR, Publisher=alexey.savchenko, Publishing Date=2/26/2020
U12: "IC INTERFACE SPECIALIZED 8TSSOP", Case=TSSOP-8, Manufacturer=NXP, Manufacturer PN=PCA9540BDP,118, PartNumber=PCA9540BDP,118, Publisher=alexey.savchenko, Publishing Date=1/24/2020
U14_F1 U14_F2: "General Purpose Amplifier 4 Circuit Rail-to-Rail 14-TSSOP", Case=TSSOP-14, Manufacturer=Microchip, Manufacturer PN=MCP6004T-I/ST, PartNumber=MCP6004T-I/ST, Publisher=alexey.savchenko, Publishing Date=4/9/2020
U15: "4MHz XO (Standard) CMOS Oscillator 1.8V ~ 3.3V Enable/Disable 4-SMD, No Lead", Frequency=4MHz, Manufacturer=Microchip, Manufacturer PN=DSC6001CI2A-004.0000, PartNumber=DSC6001CI2A-004.0000, Publisher=alexey.savchenko, Publishing Date=3/6/2020
U17: "Counter IC Binary Counter 1 Element 4 Bit Positive Edge 16-TSSOP", Case=TSSOP-16, Manufacturer=TI, Manufacturer PN=SN74HC163PW, PartNumber=SN74HC163PW, Publisher=alexey.savchenko, Publishing Date=3/6/2020